# KiCad board Leopold Replacement.kicad_pcb (continued)
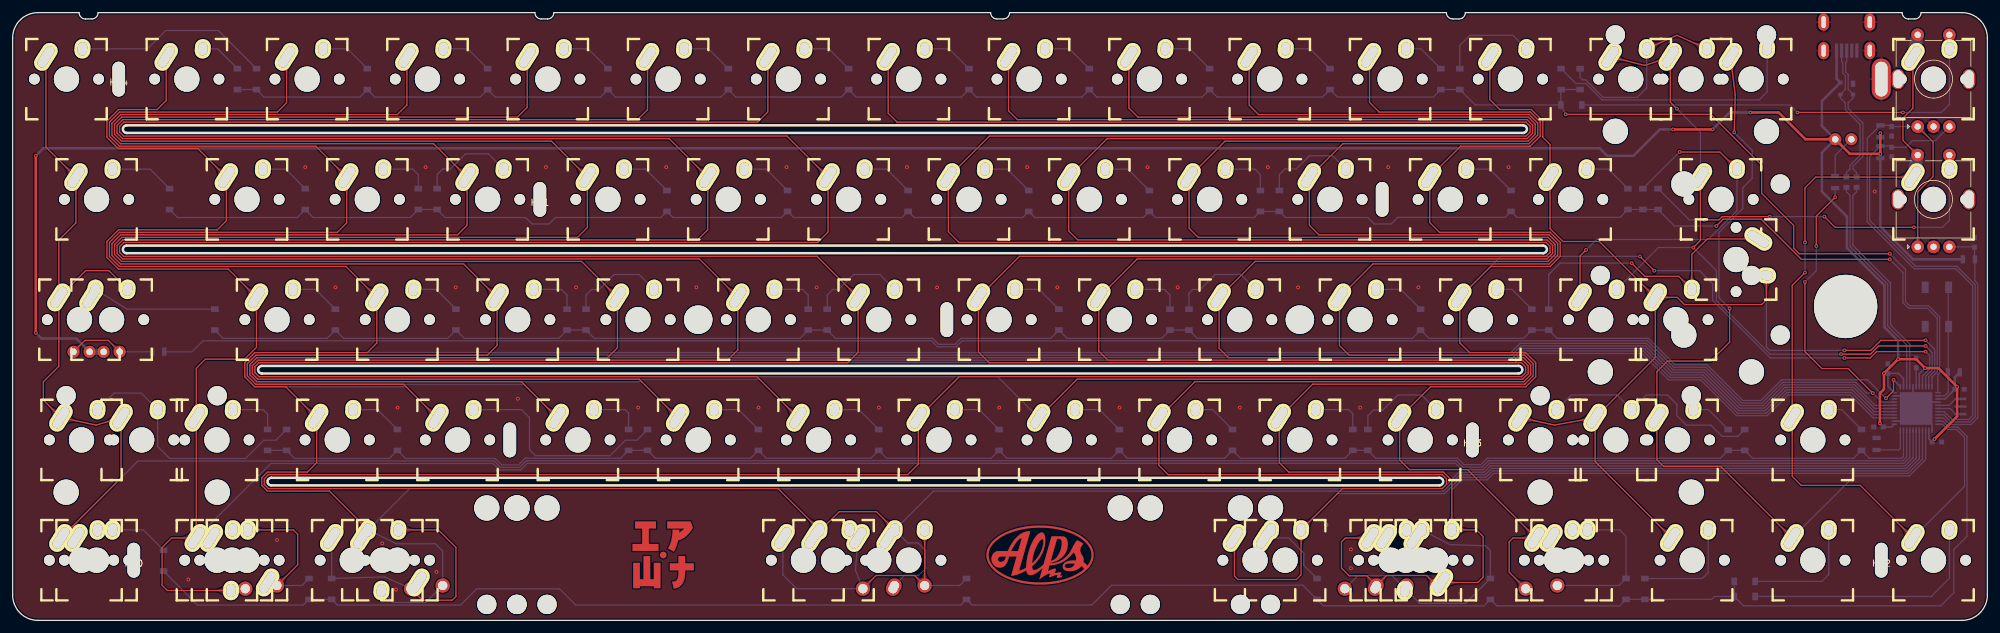
[diagram p0: board, top side]
## Copper pours and planes (outline as drawn; the poured copper is in the pictures) (continued)
Col10 on Top: 201.99,34.07 201.94,34.02 201.89,33.97 201.83,33.92 201.78,33.87 201.72,33.83 201.67,33.78 201.61,33.74 201.55,33.7 201.49,33.66 201.43,33.63 201.37,33.59 201.31,33.56 201.25,33.53 201.19,33.5 201.13,33.48 201.06,33.45 201,33.43 200.94,33.41 200.87,33.39 200.81,33.37 200.74,33.35 200.67,33.34 200.61,33.32 200.54,33.31 200.47,33.3 200.4,33.3 200.33,33.29 200.26,33.29 200.19,33.29 200.12,33.29 199.66,31.59 201.35,32.05 201.35,32.12 201.35,32.19 201.36,32.26 201.36,32.33 201.37,32.4 201.38,32.47 201.39,32.54 201.4,32.61 201.42,32.67 201.43,32.74 201.45,32.8 201.47,32.87 201.49,32.93 201.52,33 201.54,33.06 201.57,33.12 201.6,33.18 201.63,33.25 201.66,33.31 201.7,33.37 201.73,33.42 201.77,33.48 201.81,33.54 201.85,33.6 201.89,33.65 201.94,33.71 201.99,33.77 202.03,33.82 202.08,33.87 202.14,33.93
Col10 on Top: 209.71,48.27 209.71,48.34 209.71,48.42 209.72,48.49 209.72,48.56 209.73,48.63 209.74,48.7 209.75,48.77 209.76,48.84 209.78,48.91 209.79,48.98 209.81,49.04 209.83,49.11 209.85,49.17 209.88,49.24 209.9,49.3 209.93,49.36 209.96,49.43 209.99,49.49 210.02,49.55 210.05,49.61 210.09,49.66 210.12,49.72 210.16,49.78 210.2,49.83 210.25,49.89 210.29,49.94 210.34,50 210.38,50.05 210.43,50.1 210.48,50.15 209.61,51.67 208.73,50.15 208.78,50.1 208.83,50.05 208.88,50 208.93,49.94 208.97,49.89 209.01,49.83 209.05,49.78 209.09,49.72 209.13,49.66 209.16,49.61 209.2,49.55 209.23,49.49 209.26,49.43 209.29,49.36 209.31,49.3 209.34,49.24 209.36,49.17 209.38,49.11 209.4,49.04 209.42,48.98 209.44,48.91 209.45,48.84 209.47,48.77 209.48,48.7 209.49,48.63 209.49,48.56 209.5,48.49 209.5,48.42 209.51,48.34 209.51,48.27
Col10 on Top: 211.5,53.08 211.45,53.03 211.39,52.98 211.34,52.93 211.28,52.88 211.23,52.84 211.17,52.79 211.11,52.75 211.06,52.71 211,52.67 210.94,52.64 210.88,52.6 210.82,52.57 210.76,52.54 210.69,52.51 210.63,52.49 210.57,52.46 210.51,52.44 210.44,52.42 210.38,52.4 210.31,52.38 210.24,52.36 210.18,52.35 210.11,52.33 210.04,52.32 209.97,52.31 209.9,52.31 209.83,52.3 209.76,52.3 209.69,52.3 209.62,52.3 209.17,50.6 210.86,51.06 210.86,51.13 210.86,51.2 210.86,51.27 210.87,51.34 210.88,51.41 210.89,51.48 210.9,51.55 210.91,51.62 210.92,51.68 210.94,51.75 210.96,51.81 210.98,51.88 211,51.94 211.02,52.01 211.05,52.07 211.08,52.13 211.1,52.19 211.13,52.26 211.17,52.32 211.2,52.38 211.24,52.43 211.27,52.49 211.31,52.55 211.36,52.61 211.4,52.66 211.44,52.72 211.49,52.78 211.54,52.83 211.59,52.88 211.64,52.94
Col10 on Top: 204.96,67.28 204.96,67.35 204.96,67.43 204.96,67.5 204.97,67.57 204.98,67.64 204.99,67.71 205,67.78 205.01,67.85 205.02,67.92 205.04,67.99 205.06,68.05 205.08,68.12 205.1,68.18 205.12,68.25 205.15,68.31 205.18,68.37 205.2,68.44 205.23,68.5 205.27,68.56 205.3,68.62 205.33,68.67 205.37,68.73 205.41,68.79 205.45,68.84 205.49,68.9 205.54,68.95 205.58,69.01 205.63,69.06 205.68,69.11 205.73,69.16 204.85,70.68 203.98,69.16 204.03,69.11 204.08,69.06 204.13,69.01 204.17,68.95 204.22,68.9 204.26,68.84 204.3,68.79 204.34,68.73 204.38,68.67 204.41,68.62 204.44,68.56 204.48,68.5 204.51,68.44 204.53,68.37 204.56,68.31 204.59,68.25 204.61,68.18 204.63,68.12 204.65,68.05 204.67,67.99 204.69,67.92 204.7,67.85 204.71,67.78 204.72,67.71 204.73,67.64 204.74,67.57 204.75,67.5 204.75,67.43 204.75,67.35 204.75,67.28
Col10 on Top: 206.75,72.09 206.69,72.04 206.64,71.99 206.59,71.94 206.53,71.89 206.47,71.85 206.42,71.8 206.36,71.76 206.3,71.72 206.24,71.68 206.19,71.65 206.13,71.61 206.07,71.58 206,71.55 205.94,71.52 205.88,71.5 205.82,71.47 205.75,71.45 205.69,71.43 205.62,71.41 205.56,71.39 205.49,71.37 205.43,71.36 205.36,71.34 205.29,71.33 205.22,71.32 205.15,71.32 205.08,71.31 205.01,71.31 204.94,71.31 204.87,71.31 204.41,69.61 206.1,70.07 206.11,70.14 206.11,70.21 206.11,70.28 206.12,70.35 206.12,70.42 206.13,70.49 206.14,70.56 206.16,70.63 206.17,70.69 206.19,70.76 206.21,70.82 206.23,70.89 206.25,70.95 206.27,71.02 206.3,71.08 206.32,71.14 206.35,71.2 206.38,71.27 206.41,71.33 206.45,71.39 206.48,71.44 206.52,71.5 206.56,71.56 206.6,71.62 206.65,71.67 206.69,71.73 206.74,71.79 206.79,71.84 206.84,71.89 206.89,71.95
Col10 on Top: 195.45,86.29 195.45,86.36 195.45,86.44 195.46,86.51 195.46,86.58 195.47,86.65 195.48,86.72 195.49,86.79 195.51,86.86 195.52,86.93 195.54,87 195.55,87.06 195.57,87.13 195.6,87.19 195.62,87.26 195.64,87.32 195.67,87.38 195.7,87.45 195.73,87.51 195.76,87.57 195.79,87.63 195.83,87.68 195.87,87.74 195.91,87.8 195.95,87.85 195.99,87.91 196.03,87.96 196.08,88.02 196.13,88.07 196.17,88.12 196.22,88.17 195.35,89.69 194.47,88.17 194.53,88.12 194.57,88.07 194.62,88.02 194.67,87.96 194.71,87.91 194.75,87.85 194.79,87.8 194.83,87.74 194.87,87.68 194.91,87.63 194.94,87.57 194.97,87.51 195,87.45 195.03,87.38 195.06,87.32 195.08,87.26 195.1,87.19 195.13,87.13 195.15,87.06 195.16,87 195.18,86.93 195.19,86.86 195.21,86.79 195.22,86.72 195.23,86.65 195.24,86.58 195.24,86.51 195.25,86.44 195.25,86.36 195.25,86.29
Col10 on Top: 211.68,12.93 211.76,12.92 211.83,12.92 211.9,12.92 211.98,12.91 212.05,12.9 212.12,12.89 212.19,12.88 212.26,12.87 212.33,12.86 212.39,12.84 212.46,12.82 212.52,12.8 212.59,12.78 212.65,12.76 212.72,12.73 212.78,12.7 212.84,12.68 212.9,12.65 212.96,12.61 213.02,12.58 213.08,12.55 213.14,12.51 213.19,12.47 213.25,12.43 213.3,12.39 213.36,12.34 213.41,12.3 213.46,12.25 213.52,12.2 213.57,12.15 215.08,13.03 213.57,13.9 213.52,13.85 213.46,13.8 213.41,13.75 213.36,13.71 213.3,13.66 213.25,13.62 213.19,13.58 213.14,13.54 213.08,13.51 213.02,13.47 212.96,13.44 212.9,13.4 212.84,13.37 212.78,13.35 212.72,13.32 212.65,13.29 212.59,13.27 212.52,13.25 212.46,13.23 212.39,13.21 212.33,13.2 212.26,13.18 212.19,13.17 212.12,13.16 212.05,13.15 211.98,13.14 211.9,13.13 211.83,13.13 211.76,13.13 211.68,13.13
Col10 on Top: 213.85,6.98 214.34,5.52 215.86,5.11 215.45,6.63 213.99,7.12
Col10 on Top: 213.85,6.98 214.09,5.02 215.61,4.61 215.2,6.13 215.14,6.13 215.08,6.13 215.02,6.14 214.96,6.15 214.9,6.16 214.85,6.17 214.79,6.18 214.74,6.2 214.69,6.22 214.64,6.24 214.59,6.26 214.55,6.28 214.5,6.31 214.46,6.34 214.42,6.37 214.38,6.41 214.34,6.44 214.3,6.48 214.27,6.52 214.24,6.57 214.2,6.61 214.17,6.66 214.14,6.71 214.12,6.76 214.09,6.82 214.07,6.87 214.05,6.93 214.02,6.99 214.01,7.06 213.99,7.12
Col10 on Bottom: 227.26,17.07 227.26,17 227.26,16.92 227.26,16.85 227.25,16.78 227.24,16.71 227.23,16.64 227.22,16.57 227.21,16.5 227.19,16.43 227.18,16.36 227.16,16.3 227.14,16.23 227.12,16.17 227.09,16.1 227.07,16.04 227.04,15.98 227.01,15.91 226.98,15.85 226.95,15.79 226.92,15.73 226.88,15.68 226.85,15.62 226.81,15.56 226.77,15.51 226.73,15.45 226.68,15.4 226.64,15.34 226.59,15.29 226.54,15.24 226.49,15.19 227.36,13.67 228.24,15.19 228.19,15.24 228.14,15.29 228.09,15.34 228.05,15.4 228,15.45 227.96,15.51 227.92,15.56 227.88,15.62 227.84,15.68 227.81,15.73 227.77,15.79 227.74,15.85 227.71,15.91 227.68,15.98 227.66,16.04 227.63,16.1 227.61,16.17 227.59,16.23 227.57,16.3 227.55,16.36 227.53,16.43 227.52,16.5 227.51,16.57 227.49,16.64 227.49,16.71 227.48,16.78 227.47,16.85 227.47,16.92 227.46,17 227.46,17.07
Col11 on Top: 238.62,14.92 238.67,14.86 238.72,14.81 238.77,14.76 238.81,14.7 238.86,14.64 238.9,14.59 238.94,14.53 238.98,14.47 239.02,14.41 239.06,14.36 239.09,14.3 239.12,14.24 239.15,14.17 239.18,14.11 239.21,14.05 239.23,13.99 239.26,13.92 239.28,13.86 239.3,13.79 239.32,13.73 239.33,13.66 239.35,13.6 239.36,13.53 239.37,13.46 239.38,13.39 239.39,13.32 239.39,13.25 239.4,13.18 239.4,13.11 239.4,13.04 241.09,12.58 240.64,14.28 240.56,14.28 240.49,14.28 240.42,14.28 240.35,14.29 240.28,14.29 240.21,14.3 240.15,14.31 240.08,14.33 240.01,14.34 239.95,14.36 239.88,14.38 239.81,14.4 239.75,14.42 239.69,14.44 239.62,14.47 239.56,14.49 239.5,14.52 239.44,14.55 239.38,14.58 239.32,14.62 239.26,14.65 239.2,14.69 239.14,14.73 239.09,14.77 239.03,14.82 238.97,14.86 238.92,14.91 238.86,14.96 238.81,15.01 238.76,15.06
Col11 on Top: 219.21,29.26 219.21,29.33 219.22,29.41 219.22,29.48 219.23,29.55 219.23,29.62 219.24,29.69 219.25,29.76 219.27,29.83 219.28,29.9 219.3,29.97 219.32,30.03 219.34,30.1 219.36,30.16 219.38,30.23 219.41,30.29 219.43,30.35 219.46,30.42 219.49,30.48 219.52,30.54 219.56,30.6 219.59,30.65 219.63,30.71 219.67,30.77 219.71,30.82 219.75,30.88 219.79,30.93 219.84,30.99 219.89,31.04 219.94,31.09 219.99,31.14 219.11,32.66 218.24,31.14 218.29,31.09 218.34,31.04 218.38,30.99 218.43,30.93 218.47,30.88 218.52,30.82 218.56,30.77 218.6,30.71 218.63,30.65 218.67,30.6 218.7,30.54 218.73,30.48 218.76,30.42 218.79,30.35 218.82,30.29 218.84,30.23 218.87,30.16 218.89,30.1 218.91,30.03 218.93,29.97 218.94,29.9 218.96,29.83 218.97,29.76 218.98,29.69 218.99,29.62 219,29.55 219,29.48 219.01,29.41 219.01,29.33 219.01,29.26
Col11 on Top: 221,34.07 220.95,34.02 220.9,33.97 220.84,33.92 220.79,33.87 220.73,33.83 220.68,33.78 220.62,33.74 220.56,33.7 220.5,33.66 220.44,33.63 220.38,33.59 220.32,33.56 220.26,33.53 220.2,33.5 220.14,33.48 220.07,33.45 220.01,33.43 219.95,33.41 219.88,33.39 219.82,33.37 219.75,33.35 219.68,33.34 219.62,33.32 219.55,33.31 219.48,33.3 219.41,33.3 219.34,33.29 219.27,33.29 219.2,33.29 219.12,33.29 218.67,31.59 220.36,32.05 220.36,32.12 220.36,32.19 220.37,32.26 220.37,32.33 220.38,32.4 220.39,32.47 220.4,32.54 220.41,32.61 220.43,32.67 220.44,32.74 220.46,32.8 220.48,32.87 220.5,32.93 220.53,33 220.55,33.06 220.58,33.12 220.61,33.18 220.64,33.25 220.67,33.31 220.71,33.37 220.74,33.42 220.78,33.48 220.82,33.54 220.86,33.6 220.9,33.65 220.95,33.71 221,33.77 221.04,33.82 221.09,33.87 221.15,33.93
Col11 on Top: 228.72,48.27 228.72,48.34 228.72,48.42 228.73,48.49 228.73,48.56 228.74,48.63 228.75,48.7 228.76,48.77 228.77,48.84 228.79,48.91 228.8,48.98 228.82,49.04 228.84,49.11 228.86,49.17 228.89,49.24 228.91,49.3 228.94,49.36 228.97,49.43 229,49.49 229.03,49.55 229.06,49.61 229.1,49.66 229.13,49.72 229.17,49.78 229.21,49.83 229.26,49.89 229.3,49.94 229.35,50 229.39,50.05 229.44,50.1 229.49,50.15 228.62,51.67 227.74,50.15 227.79,50.1 227.84,50.05 227.89,50 227.94,49.94 227.98,49.89 228.02,49.83 228.06,49.78 228.1,49.72 228.14,49.66 228.17,49.61 228.21,49.55 228.24,49.49 228.27,49.43 228.3,49.36 228.32,49.3 228.35,49.24 228.37,49.17 228.39,49.11 228.41,49.04 228.43,48.98 228.45,48.91 228.46,48.84 228.48,48.77 228.49,48.7 228.5,48.63 228.5,48.56 228.51,48.49 228.51,48.42 228.52,48.34 228.52,48.27
Col11 on Top: 230.51,53.08 230.46,53.03 230.4,52.98 230.35,52.93 230.29,52.88 230.24,52.84 230.18,52.79 230.12,52.75 230.07,52.71 230.01,52.67 229.95,52.64 229.89,52.6 229.83,52.57 229.77,52.54 229.7,52.51 229.64,52.49 229.58,52.46 229.52,52.44 229.45,52.42 229.39,52.4 229.32,52.38 229.25,52.36 229.19,52.35 229.12,52.33 229.05,52.32 228.98,52.31 228.91,52.31 228.84,52.3 228.77,52.3 228.7,52.3 228.63,52.3 228.18,50.6 229.87,51.06 229.87,51.13 229.87,51.2 229.87,51.27 229.88,51.34 229.89,51.41 229.9,51.48 229.91,51.55 229.92,51.62 229.93,51.68 229.95,51.75 229.97,51.81 229.99,51.88 230.01,51.94 230.03,52.01 230.06,52.07 230.09,52.13 230.11,52.19 230.14,52.26 230.18,52.32 230.21,52.38 230.25,52.43 230.28,52.49 230.32,52.55 230.37,52.61 230.41,52.66 230.45,52.72 230.5,52.78 230.55,52.83 230.6,52.88 230.65,52.94
Col11 on Top: 223.97,67.28 223.97,67.35 223.97,67.43 223.97,67.5 223.98,67.57 223.99,67.64 224,67.71 224.01,67.78 224.02,67.85 224.03,67.92 224.05,67.99 224.07,68.05 224.09,68.12 224.11,68.18 224.13,68.25 224.16,68.31 224.19,68.37 224.21,68.44 224.24,68.5 224.28,68.56 224.31,68.62 224.34,68.67 224.38,68.73 224.42,68.79 224.46,68.84 224.5,68.9 224.55,68.95 224.59,69.01 224.64,69.06 224.69,69.11 224.74,69.16 223.87,70.68 222.99,69.16 223.04,69.11 223.09,69.06 223.14,69.01 223.18,68.95 223.23,68.9 223.27,68.84 223.31,68.79 223.35,68.73 223.39,68.67 223.42,68.62 223.45,68.56 223.49,68.5 223.52,68.44 223.54,68.37 223.57,68.31 223.6,68.25 223.62,68.18 223.64,68.12 223.66,68.05 223.68,67.99 223.7,67.92 223.71,67.85 223.72,67.78 223.73,67.71 223.74,67.64 223.75,67.57 223.76,67.5 223.76,67.43 223.76,67.35 223.76,67.28
Col11 on Top: 225.76,72.09 225.7,72.04 225.65,71.99 225.6,71.94 225.54,71.89 225.48,71.85 225.43,71.8 225.37,71.76 225.31,71.72 225.25,71.68 225.2,71.65 225.14,71.61 225.08,71.58 225.01,71.55 224.95,71.52 224.89,71.5 224.83,71.47 224.76,71.45 224.7,71.43 224.63,71.41 224.57,71.39 224.5,71.37 224.44,71.36 224.37,71.34 224.3,71.33 224.23,71.32 224.16,71.32 224.09,71.31 224.02,71.31 223.95,71.31 223.88,71.31 223.42,69.61 225.11,70.07 225.12,70.14 225.12,70.21 225.12,70.28 225.13,70.35 225.13,70.42 225.14,70.49 225.15,70.56 225.17,70.63 225.18,70.69 225.2,70.76 225.22,70.82 225.24,70.89 225.26,70.95 225.28,71.02 225.31,71.08 225.33,71.14 225.36,71.2 225.39,71.27 225.42,71.33 225.46,71.39 225.49,71.44 225.53,71.5 225.57,71.56 225.61,71.62 225.66,71.67 225.7,71.73 225.75,71.79 225.8,71.84 225.85,71.89 225.9,71.95
Col11 on Top: 214.46,86.29 214.46,86.36 214.46,86.44 214.47,86.51 214.47,86.58 214.48,86.65 214.49,86.72 214.5,86.79 214.52,86.86 214.53,86.93 214.55,87 214.56,87.06 214.58,87.13 214.61,87.19 214.63,87.26 214.65,87.32 214.68,87.38 214.71,87.45 214.74,87.51 214.77,87.57 214.8,87.63 214.84,87.68 214.88,87.74 214.92,87.8 214.96,87.85 215,87.91 215.04,87.96 215.09,88.02 215.14,88.07 215.18,88.12 215.24,88.17 214.36,89.69 213.49,88.17 213.54,88.12 213.58,88.07 213.63,88.02 213.68,87.96 213.72,87.91 213.76,87.85 213.8,87.8 213.84,87.74 213.88,87.68 213.92,87.63 213.95,87.57 213.98,87.51 214.01,87.45 214.04,87.38 214.07,87.32 214.09,87.26 214.11,87.19 214.14,87.13 214.16,87.06 214.17,87 214.19,86.93 214.2,86.86 214.22,86.79 214.23,86.72 214.24,86.65 214.25,86.58 214.25,86.51 214.26,86.44 214.26,86.36 214.26,86.29
Col11 on Top: 237.21,6.68 237.25,6.64 237.3,6.59 237.34,6.54 237.38,6.49 237.42,6.44 237.46,6.39 237.5,6.34 237.53,6.29 237.57,6.24 237.6,6.19 237.63,6.13 237.66,6.08 237.68,6.02 237.71,5.97 237.73,5.91 237.76,5.86 237.78,5.8 237.8,5.75 237.81,5.69 237.83,5.63 237.84,5.57 237.86,5.51 237.87,5.45 237.88,5.39 237.89,5.33 237.89,5.27 237.9,5.21 237.9,5.14 237.9,5.08 237.9,5.02 239.43,4.61 239.02,6.13 238.95,6.13 238.89,6.13 238.83,6.14 238.76,6.14 238.7,6.15 238.64,6.15 238.58,6.16 238.52,6.18 238.46,6.19 238.4,6.2 238.35,6.22 238.29,6.24 238.23,6.26 238.17,6.28 238.12,6.3 238.06,6.32 238.01,6.35 237.95,6.38 237.9,6.4 237.85,6.44 237.79,6.47 237.74,6.5 237.69,6.54 237.64,6.57 237.59,6.61 237.54,6.65 237.49,6.69 237.44,6.73 237.4,6.78 237.35,6.83
Col11 on Top: 237.87,12.93 237.95,12.92 238.02,12.92 238.09,12.92 238.17,12.91 238.24,12.9 238.31,12.89 238.38,12.88 238.45,12.87 238.51,12.86 238.58,12.84 238.65,12.82 238.71,12.8 238.78,12.78 238.84,12.76 238.91,12.73 238.97,12.7 239.03,12.68 239.09,12.65 239.15,12.61 239.21,12.58 239.27,12.55 239.33,12.51 239.38,12.47 239.44,12.43 239.49,12.39 239.55,12.34 239.6,12.3 239.65,12.25 239.71,12.2 239.76,12.15 241.27,13.03 239.76,13.9 239.71,13.85 239.65,13.8 239.6,13.75 239.55,13.71 239.49,13.66 239.44,13.62 239.38,13.58 239.33,13.54 239.27,13.51 239.21,13.47 239.15,13.44 239.09,13.4 239.03,13.37 238.97,13.35 238.91,13.32 238.84,13.29 238.78,13.27 238.71,13.25 238.65,13.23 238.58,13.21 238.51,13.2 238.45,13.18 238.38,13.17 238.31,13.16 238.24,13.15 238.17,13.14 238.09,13.13 238.02,13.13 237.95,13.13 237.87,13.13
Col11 on Bottom: 230.51,53.08 230.46,53.03 230.4,52.98 230.35,52.93 230.29,52.88 230.24,52.84 230.18,52.79 230.12,52.75 230.07,52.71 230.01,52.67 229.95,52.64 229.89,52.6 229.83,52.57 229.77,52.54 229.7,52.51 229.64,52.49 229.58,52.46 229.52,52.44 229.45,52.42 229.39,52.4 229.32,52.38 229.25,52.36 229.19,52.35 229.12,52.33 229.05,52.32 228.98,52.31 228.91,52.31 228.84,52.3 228.77,52.3 228.7,52.3 228.63,52.3 228.18,50.6 229.87,51.06 229.87,51.13 229.87,51.2 229.87,51.27 229.88,51.34 229.89,51.41 229.9,51.48 229.91,51.55 229.92,51.62 229.93,51.68 229.95,51.75 229.97,51.81 229.99,51.88 230.01,51.94 230.03,52.01 230.06,52.07 230.09,52.13 230.11,52.19 230.14,52.26 230.18,52.32 230.21,52.38 230.25,52.43 230.28,52.49 230.32,52.55 230.37,52.61 230.41,52.66 230.45,52.72 230.5,52.78 230.55,52.83 230.6,52.88 230.65,52.94
Col12 on Top: 240.86,31.55 240.79,31.57 240.71,31.58 240.64,31.6 240.57,31.62 240.51,31.65 240.44,31.67 240.37,31.7 240.31,31.72 240.25,31.75 240.18,31.78 240.12,31.81 240.06,31.85 240,31.88 239.95,31.92 239.89,31.96 239.83,31.99 239.78,32.04 239.73,32.08 239.67,32.12 239.62,32.17 239.57,32.21 239.53,32.26 239.48,32.31 239.43,32.36 239.39,32.42 239.34,32.47 239.3,32.53 239.26,32.58 239.22,32.64 239.18,32.7 237.51,32.17 238.81,30.99 238.87,31.03 238.93,31.07 238.99,31.1 239.06,31.14 239.12,31.17 239.18,31.2 239.24,31.23 239.31,31.25 239.37,31.28 239.44,31.3 239.5,31.32 239.57,31.34 239.63,31.35 239.7,31.37 239.77,31.38 239.83,31.39 239.9,31.4 239.97,31.41 240.04,31.41 240.1,31.42 240.17,31.42 240.24,31.42 240.31,31.42 240.38,31.41 240.45,31.41 240.53,31.4 240.6,31.39 240.67,31.38 240.74,31.37 240.82,31.35
Col12 on Top: 247.29,31.44 247.36,31.45 247.44,31.46 247.51,31.47 247.58,31.48 247.65,31.48 247.72,31.49 247.79,31.49 247.86,31.49 247.93,31.49 248,31.48 248.07,31.48 248.14,31.47 248.21,31.46 248.27,31.45 248.34,31.43 248.41,31.42 248.47,31.4 248.54,31.38 248.6,31.36 248.67,31.34 248.73,31.32 248.79,31.29 248.86,31.26 248.92,31.23 248.98,31.2 249.04,31.17 249.1,31.13 249.16,31.09 249.22,31.06 249.28,31.01 250.62,32.15 248.97,32.74 248.93,32.68 248.89,32.62 248.84,32.56 248.8,32.51 248.75,32.46 248.71,32.4 248.66,32.35 248.61,32.31 248.56,32.26 248.51,32.21 248.46,32.17 248.4,32.13 248.35,32.09 248.29,32.05 248.24,32.01 248.18,31.98 248.12,31.94 248.06,31.91 248,31.88 247.94,31.85 247.87,31.82 247.81,31.79 247.74,31.77 247.68,31.74 247.61,31.72 247.54,31.7 247.47,31.68 247.4,31.67 247.33,31.65 247.25,31.64
Col12 on Top: 242.97,67.28 242.98,67.35 242.98,67.43 242.98,67.5 242.99,67.57 243,67.64 243.01,67.71 243.02,67.78 243.03,67.85 243.04,67.92 243.06,67.99 243.08,68.05 243.1,68.12 243.12,68.18 243.14,68.25 243.17,68.31 243.2,68.37 243.22,68.44 243.25,68.5 243.29,68.56 243.32,68.62 243.35,68.67 243.39,68.73 243.43,68.79 243.47,68.84 243.51,68.9 243.56,68.95 243.6,69.01 243.65,69.06 243.7,69.11 243.75,69.16 242.88,70.68 242,69.16 242.05,69.11 242.1,69.06 242.15,69.01 242.19,68.95 242.24,68.9 242.28,68.84 242.32,68.79 242.36,68.73 242.4,68.67 242.43,68.62 242.46,68.56 242.5,68.5 242.53,68.44 242.55,68.37 242.58,68.31 242.61,68.25 242.63,68.18 242.65,68.12 242.67,68.05 242.69,67.99 242.71,67.92 242.72,67.85 242.73,67.78 242.74,67.71 242.75,67.64 242.76,67.57 242.77,67.5 242.77,67.43 242.77,67.35 242.78,67.28
Col12 on Top: 257.48,52.94 257.53,52.88 257.58,52.83 257.63,52.78 257.67,52.72 257.72,52.66 257.76,52.61 257.8,52.55 257.84,52.49 257.88,52.43 257.92,52.38 257.95,52.32 257.98,52.26 258.01,52.19 258.04,52.13 258.07,52.07 258.09,52.01 258.12,51.94 258.14,51.88 258.16,51.81 258.18,51.75 258.19,51.68 258.21,51.62 258.22,51.55 258.23,51.48 258.24,51.41 258.25,51.34 258.25,51.27 258.26,51.2 258.26,51.13 258.26,51.06 259.95,50.6 259.5,52.3 259.42,52.3 259.35,52.3 259.28,52.3 259.21,52.31 259.14,52.31 259.07,52.32 259.01,52.33 258.94,52.35 258.87,52.36 258.81,52.38 258.74,52.4 258.67,52.42 258.61,52.44 258.55,52.46 258.48,52.49 258.42,52.51 258.36,52.54 258.3,52.57 258.24,52.6 258.18,52.64 258.12,52.67 258.06,52.71 258,52.75 257.95,52.79 257.89,52.84 257.83,52.88 257.78,52.93 257.72,52.98 257.67,53.03 257.62,53.08
Col12 on Top: 242.78,72.83 242.77,72.76 242.77,72.68 242.77,72.61 242.76,72.54 242.75,72.47 242.74,72.4 242.73,72.33 242.72,72.26 242.71,72.19 242.69,72.12 242.67,72.06 242.65,71.99 242.63,71.93 242.61,71.86 242.58,71.8 242.55,71.74 242.53,71.67 242.5,71.61 242.46,71.55 242.43,71.49 242.4,71.44 242.36,71.38 242.32,71.32 242.28,71.27 242.24,71.21 242.19,71.16 242.15,71.1 242.1,71.05 242.05,71 242,70.95 242.88,69.43 243.75,70.95 243.7,71 243.65,71.05 243.6,71.1 243.56,71.16 243.51,71.21 243.47,71.27 243.43,71.32 243.39,71.38 243.35,71.44 243.32,71.49 243.29,71.55 243.25,71.61 243.22,71.67 243.2,71.74 243.17,71.8 243.14,71.86 243.12,71.93 243.1,71.99 243.08,72.06 243.06,72.12 243.04,72.19 243.03,72.26 243.02,72.33 243.01,72.4 243,72.47 242.99,72.54 242.98,72.61 242.98,72.68 242.98,72.76 242.97,72.83
Col12 on Top: 233.47,86.29 233.47,86.36 233.47,86.44 233.48,86.51 233.48,86.58 233.49,86.65 233.5,86.72 233.51,86.79 233.53,86.86 233.54,86.93 233.56,87 233.57,87.06 233.59,87.13 233.62,87.19 233.64,87.26 233.66,87.32 233.69,87.38 233.72,87.45 233.75,87.51 233.78,87.57 233.81,87.63 233.85,87.68 233.89,87.74 233.93,87.8 233.97,87.85 234.01,87.91 234.05,87.96 234.1,88.02 234.15,88.07 234.19,88.12 234.25,88.17 233.37,89.69 232.5,88.17 232.55,88.12 232.59,88.07 232.64,88.02 232.69,87.96 232.73,87.91 232.77,87.85 232.81,87.8 232.85,87.74 232.89,87.68 232.93,87.63 232.96,87.57 232.99,87.51 233.02,87.45 233.05,87.38 233.08,87.32 233.1,87.26 233.12,87.19 233.15,87.13 233.17,87.06 233.18,87 233.2,86.93 233.21,86.86 233.23,86.79 233.24,86.72 233.25,86.65 233.26,86.58 233.26,86.51 233.27,86.44 233.27,86.36 233.27,86.29
Col12 on Top: 262.29,51.15 262.21,51.15 262.14,51.15 262.06,51.15 261.99,51.16 261.92,51.17 261.85,51.18 261.78,51.19 261.71,51.2 261.64,51.22 261.58,51.23 261.51,51.25 261.44,51.27 261.38,51.29 261.32,51.31 261.25,51.34 261.19,51.37 261.13,51.39 261.07,51.42 261.01,51.46 260.95,51.49 260.89,51.53 260.83,51.56 260.78,51.6 260.72,51.64 260.67,51.68 260.61,51.73 260.56,51.77 260.5,51.82 260.45,51.87 260.4,51.92 258.88,51.05 260.4,50.17 260.45,50.22 260.5,50.27 260.56,50.32 260.61,50.36 260.67,50.41 260.72,50.45 260.78,50.49 260.83,50.53 260.89,50.57 260.95,50.6 261.01,50.63 261.07,50.67 261.13,50.7 261.19,50.72 261.25,50.75 261.32,50.78 261.38,50.8 261.44,50.82 261.51,50.84 261.58,50.86 261.64,50.88 261.71,50.89 261.78,50.9 261.85,50.91 261.92,50.92 261.99,50.93 262.06,50.94 262.14,50.94 262.21,50.94 262.29,50.95
Col12 on Top: 277.16,51.73 277.16,51.81 277.16,51.88 277.17,51.96 277.17,52.03 277.18,52.1 277.19,52.17 277.2,52.24 277.21,52.31 277.23,52.38 277.25,52.44 277.26,52.51 277.28,52.57 277.3,52.64 277.33,52.7 277.35,52.77 277.38,52.83 277.41,52.89 277.44,52.95 277.47,53.01 277.5,53.07 277.54,53.13 277.58,53.19 277.61,53.24 277.65,53.3 277.7,53.35 277.74,53.41 277.79,53.46 277.83,53.51 277.88,53.57 277.93,53.62 277.06,55.14 276.18,53.62 276.23,53.57 276.28,53.51 276.33,53.46 276.38,53.41 276.42,53.35 276.46,53.3 276.5,53.24 276.54,53.19 276.58,53.13 276.61,53.07 276.65,53.01 276.68,52.95 276.71,52.89 276.74,52.83 276.77,52.77 276.79,52.7 276.81,52.64 276.83,52.57 276.85,52.51 276.87,52.44 276.89,52.38 276.9,52.31 276.92,52.24 276.93,52.17 276.94,52.1 276.95,52.03 276.95,51.96 276.96,51.88 276.96,51.81 276.96,51.73
Col12 on Top: 259.61,48.27 259.61,48.34 259.61,48.42 259.62,48.49 259.62,48.56 259.63,48.63 259.64,48.7 259.65,48.77 259.66,48.84 259.68,48.91 259.7,48.98 259.71,49.04 259.73,49.11 259.75,49.17 259.78,49.24 259.8,49.3 259.83,49.36 259.86,49.43 259.89,49.49 259.92,49.55 259.95,49.61 259.99,49.66 260.03,49.72 260.06,49.78 260.1,49.83 260.15,49.89 260.19,49.94 260.24,50 260.28,50.05 260.33,50.1 260.38,50.15 259.51,51.67 258.63,50.15 258.68,50.1 258.73,50.05 258.78,50 258.83,49.94 258.87,49.89 258.91,49.83 258.95,49.78 258.99,49.72 259.03,49.66 259.06,49.61 259.1,49.55 259.13,49.49 259.16,49.43 259.19,49.36 259.22,49.3 259.24,49.24 259.26,49.17 259.29,49.11 259.3,49.04 259.32,48.98 259.34,48.91 259.35,48.84 259.37,48.77 259.38,48.7 259.39,48.63 259.4,48.56 259.4,48.49 259.41,48.42 259.41,48.34 259.41,48.27
Col12 on Top: 251.9,34.07 251.84,34.02 251.79,33.97 251.73,33.92 251.68,33.87 251.62,33.83 251.57,33.78 251.51,33.74 251.45,33.7 251.39,33.66 251.33,33.63 251.27,33.59 251.21,33.56 251.15,33.53 251.09,33.5 251.03,33.48 250.97,33.45 250.9,33.43 250.84,33.41 250.77,33.39 250.71,33.37 250.64,33.35 250.57,33.34 250.51,33.32 250.44,33.31 250.37,33.3 250.3,33.3 250.23,33.29 250.16,33.29 250.09,33.29 250.02,33.29 249.56,31.59 251.25,32.05 251.25,32.12 251.26,32.19 251.26,32.26 251.27,32.33 251.27,32.4 251.28,32.47 251.29,32.54 251.31,32.61 251.32,32.67 251.34,32.74 251.35,32.8 251.37,32.87 251.4,32.93 251.42,33 251.44,33.06 251.47,33.12 251.5,33.18 251.53,33.25 251.56,33.31 251.6,33.37 251.63,33.42 251.67,33.48 251.71,33.54 251.75,33.6 251.8,33.65 251.84,33.71 251.89,33.77 251.94,33.82 251.99,33.87 252.04,33.93
Col12 on Top: 250.1,29.26 250.1,29.33 250.11,29.41 250.11,29.48 250.12,29.55 250.13,29.62 250.13,29.69 250.15,29.76 250.16,29.83 250.17,29.9 250.19,29.97 250.21,30.03 250.23,30.1 250.25,30.16 250.27,30.23 250.3,30.29 250.32,30.35 250.35,30.42 250.38,30.48 250.41,30.54 250.45,30.6 250.48,30.65 250.52,30.71 250.56,30.77 250.6,30.82 250.64,30.88 250.69,30.93 250.73,30.99 250.78,31.04 250.83,31.09 250.88,31.14 250,32.66 249.13,31.14 249.18,31.09 249.23,31.04 249.28,30.99 249.32,30.93 249.37,30.88 249.41,30.82 249.45,30.77 249.49,30.71 249.52,30.65 249.56,30.6 249.59,30.54 249.62,30.48 249.66,30.42 249.68,30.35 249.71,30.29 249.74,30.23 249.76,30.16 249.78,30.1 249.8,30.03 249.82,29.97 249.83,29.9 249.85,29.83 249.86,29.76 249.87,29.69 249.88,29.62 249.89,29.55 249.9,29.48 249.9,29.41 249.9,29.33 249.9,29.26
